# Altium PCB OECU_BASE.PcbDoc (part 2 of 6) (continued)
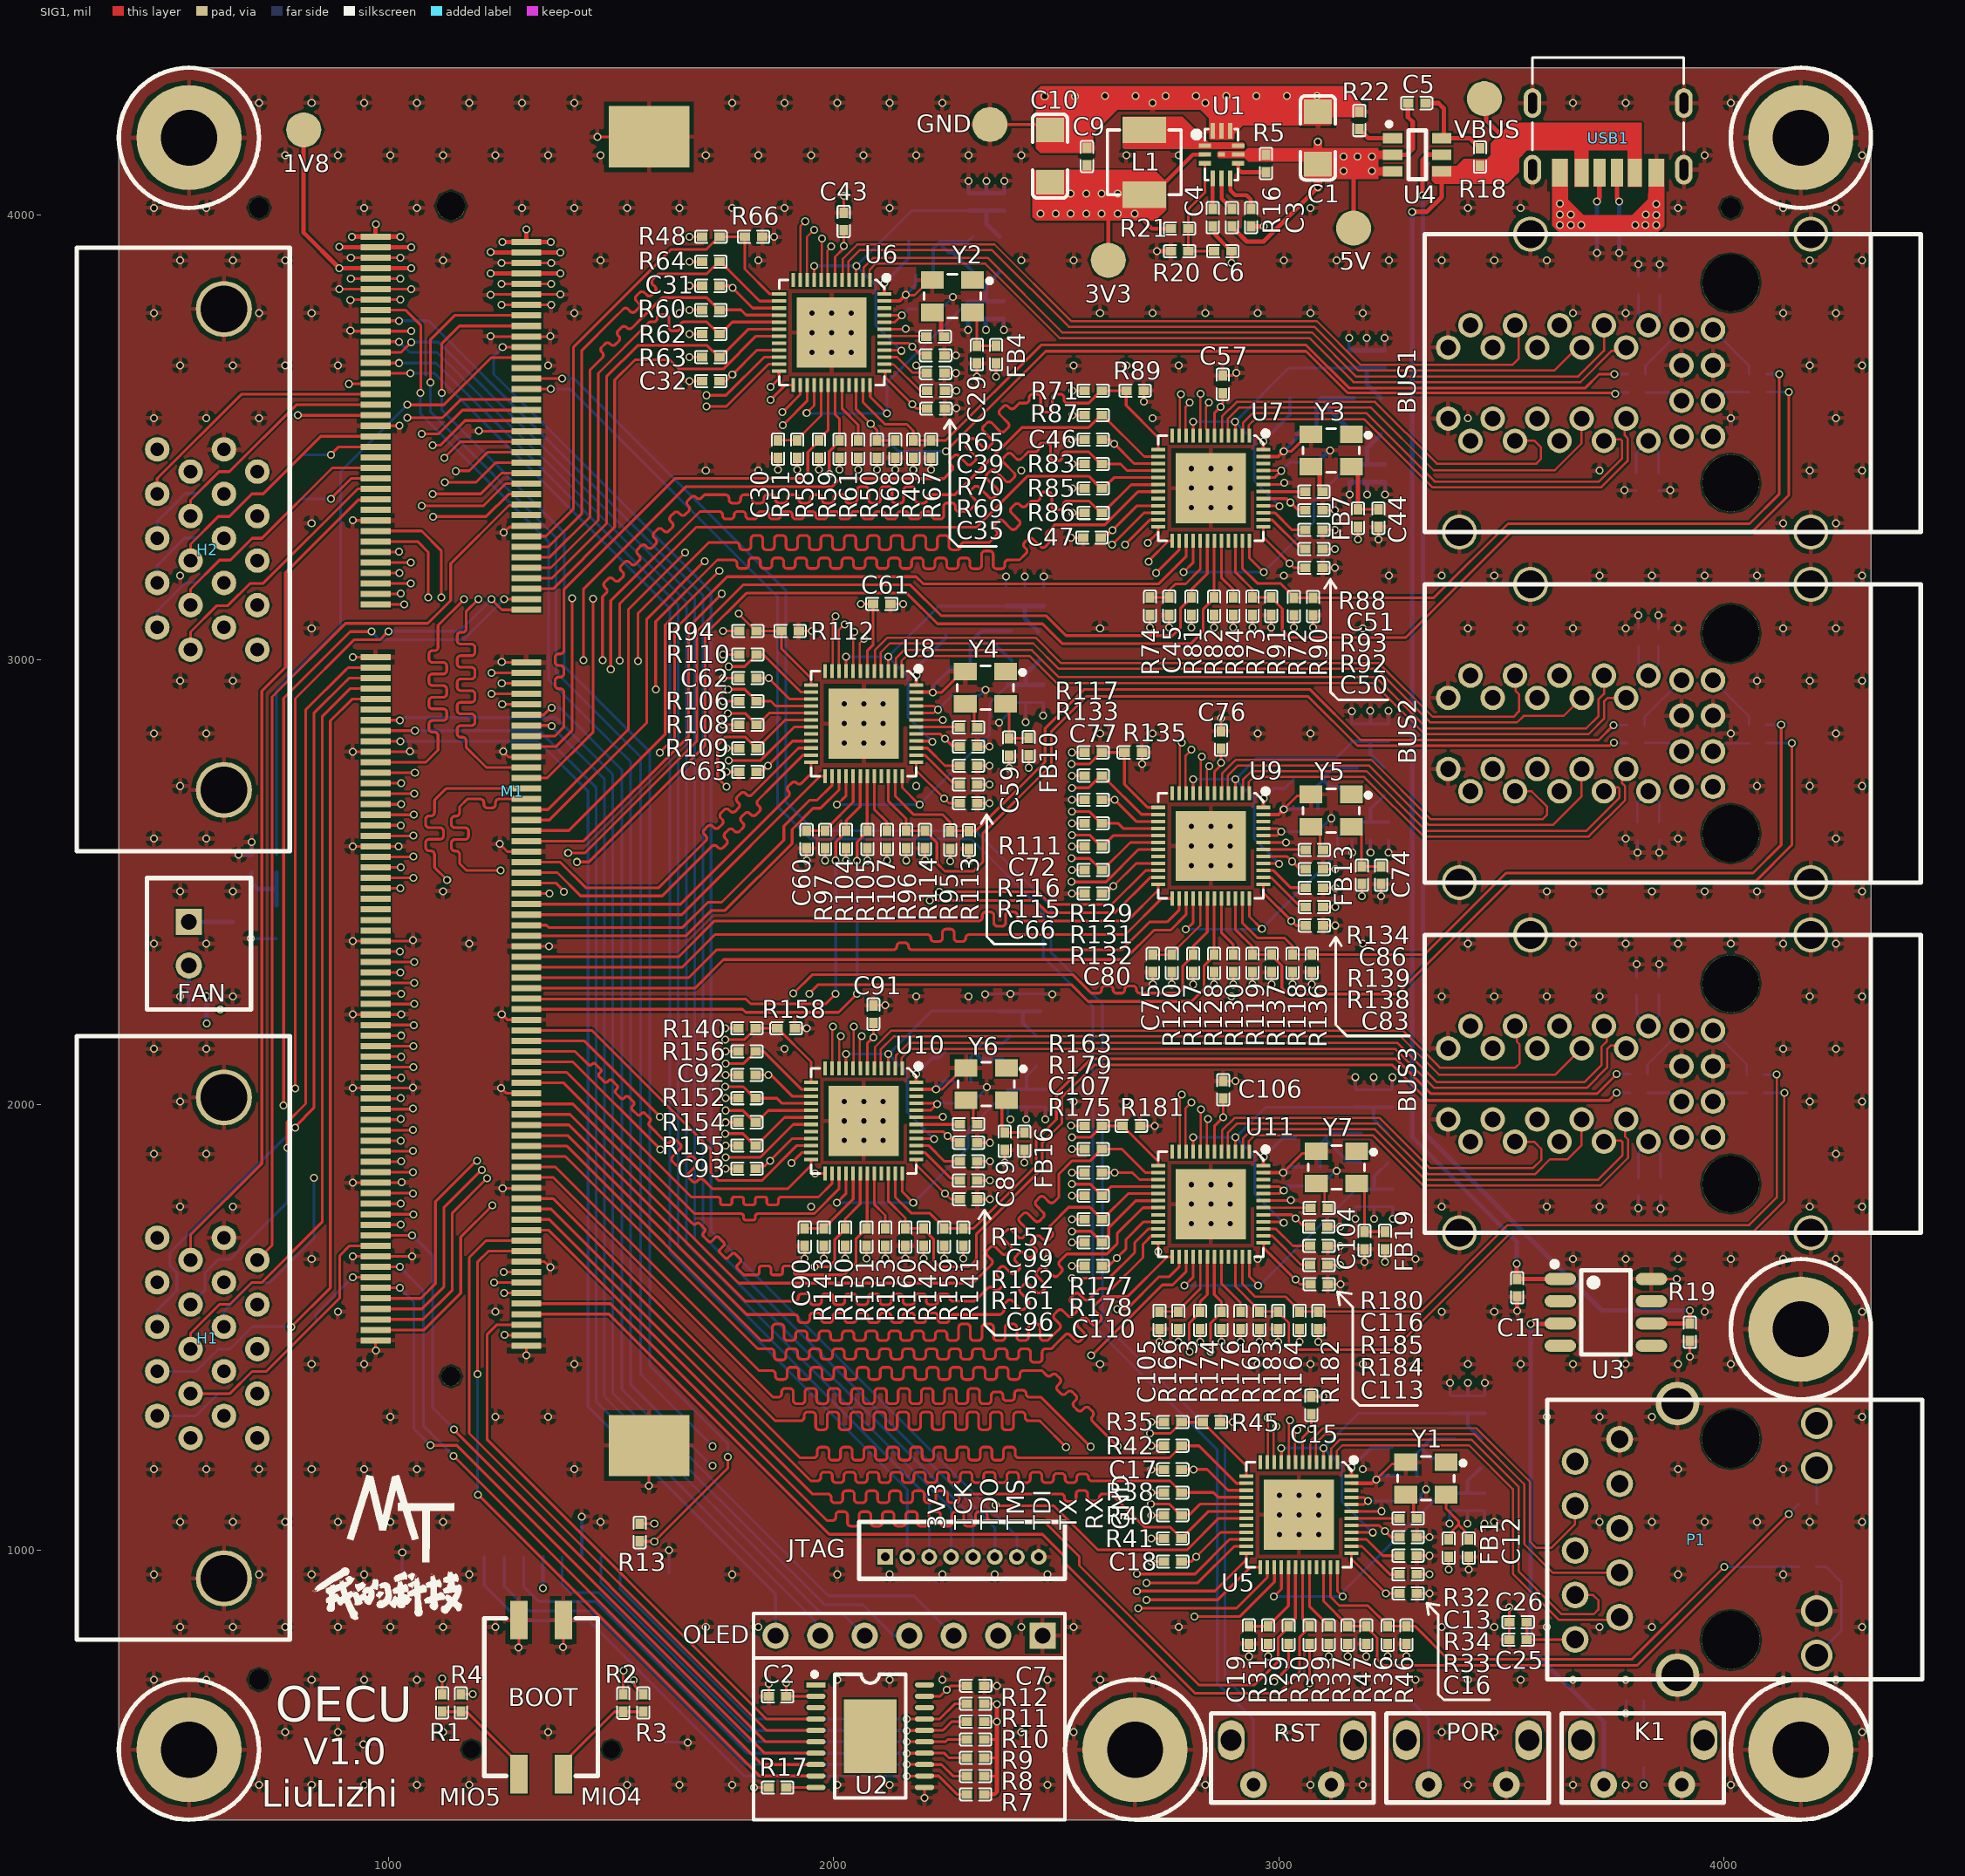
[diagram p0: SIG1 view]
## Nets (pads, with @x,y where several pads share a name; then routed paths per layer and width w, separated by ;. In a path a pad name is that pad's centre, name@x,y a point inside that pad or via, vN(x,y) a via of type N, cw(c..) or ccw(c..) an arc to the next point about the centre after c; other vN are vias at no path point) (continued)
  SIG1 w6.16: v1(1676,3840.5) C31.2@1704.31,3840.5
  SIG1 w8: U6.47@2113.5,3806.26 2147.76,3806.26 v1(2162,3820.5) ; U10.47@2185.5,2034.87 v1@2229.87,2034.87 ; U8.47@2185.5,2927.76 v1@2222.24,2927.76 ; U11.47@2965.5,1847.76 v1@3009.76,1847.76 ; U9.47@2965.5,2652.76 2999.76,2652.76 v1(3011,2664) ; U7.47@2965.5,3456.76 2998.76,3456.76 v1(3011,3469) ; U5.47@3163.5,1149.76 3209.63,1149.76 v1@3217.87,1158
  SIG1 w10: v1(2726,3918) R20.2@2757.63,3918 ; U1.12@2851.91,4188.65 U1.11@2871.6,4188.65 U1.10@2891.28,4188.65 ; C3.2@2937.6,3973.81 2965.81,3973.81 v1(2966,3974) ; C1.1@3088,4232.06 3180.63,4232.06 R22.2@3181,4231.69 ; v1(3536,1537) C11.2@3536,1569.31
  SIG3 w6: v1(663,2562) v1@663.31,2561.69 ; v1(690,2374) 690.4,2373.6 D2.2@748.21,2373.6 ; v1@692,2590.37 v1(692.32,2590.69) ; v1(942.83,563.43) 943.55,562.72 J1.10@994.92,562.72 ; J1.10@1029.92,942.72 1029.92,994.08 v1(1030.63,994.8) ; v1(1433.5,1075) v1@1433.56,1074.94 ; J1.10@1619.92,567.72 1671.28,567.72 v1(1672,567) ; J1.10@1629.92,947.72 1629.92,998.92 v1(1630,999) ; C36.2@2224.69,3788.5 2225.67,3789.48 2241.98,3789.48 v1(2268,3815.5) ; C73.1@2265.35,2983 C73.1@2267.32,2983 ; C69.2@2306.69,2920 2328,2920 v1(2341,2933) ; C102.2@2307.69,2004 2309.65,2004 2344,2038.35 v1(2344,2040) ; v1(2340,2249) 2340.37,2249.37 2396.37,2249.37 v1(2397,2250) ; v1(2372,2859) 2391,2878 C70.1@2391,2904.44 C67.1@2431,2904.44 ; C65.1@2387,3164.69 v1(2387,3187) ; C100.1@2391,1995.32 2391,1975.93 2397,1969.93 v1(2397,1967) ; C100.1@2393,1995.32 C97.1@2433,1995.32 ; v1@2397.63,2249.37 C98.1@2425,2249.37 C95.1@2465,2249.37 2490.63,2249.37 v1(2491,2249) ; C68.1@2429,3164.69 v1(2429,3187) ; v1(2431,2859.81) C67.1@2431,2904.44 ; v1(2432.38,1967.57) 2433,1968.19 C97.1@2433,1995.32 ; v1(2471,2874.81) C64.1@2471,2904.44 C67.1@2431,2904.44 ; C71.1@2471,3163.69 2472,3164.69 v1(2472,3187) ; v1(2475.38,1967.57) 2476,1968.19 C94.1@2476,1995.32 C97.1@2433,1995.32 ; v1(3011,2664) v1@3013,2666 ; C58.1@3040.67,3509.36 C58.1@3045.32,3514 ; C88.2@3087.69,2615 3089.65,2615 3096.5,2621.84 3096.5,2622.5 v1(3118,2644) ; C118.2@3092.69,1818 3094.65,1818 3128.65,1852 v1(3130,1852) ; C49.1@3158,3695.37 v1(3158,3723) ; v1(3164,2885) 3164.35,2884.65 C79.1@3164.35,2856.04 3164.68,2856.37 C82.1@3206,2856.37 ; C84.1@3164.78,2595.94 3164.78,2567.22 v1(3165,2567) ; v1(3172,1743.69) C114.1@3172,1771.32 C111.1@3214,1771.32 ; v1(3172,2062) C109.1@3172,2034.37 C112.1@3213,2034.37 ; C53.1@3198,3695.37 v1(3198,3723) ; v1(3205.65,2885.33) 3206,2884.99 C82.1@3206,2856.37 ; v1(3206,2567) C81.1@3206,2595.63 ; C82.1@3206.33,2856.7 C82.1@3206,2856.37 ; v1(3213,2062) C112.1@3213,2034.37 ; v1(3214,1743.69) C111.1@3214,1771.32 ; v1(3219,1158) v1@3219.37,1158 ; C56.1@3238,3695.37 v1(3238,3723) ; v1(3246.65,2885.33) 3247,2884.99 C85.1@3247,2856.37 ; v1(3247,2567) C78.1@3247,2596.63 ; C85.1@3247.33,2856.7 C85.1@3247,2856.37 ; v1(3255,2062) C115.1@3255,2034.37 C112.1@3213,2034.37 ; v1(3256,1743.69) C108.1@3256,1771.32 C111.1@3214,1771.32 ; C14.2@3310.69,1110 3312.65,1110 3319.5,1116.84 3319.5,1124.5 v1(3331,1136) ; v1(3384,1059) C27.1@3384,1088.63 C23.1@3424,1088.63 ; v1(3385,1376) C22.1@3385,1346.37 3385.13,1346.24 C28.1@3462.87,1346.24 v1(3462.87,1375.87) ; v1(3424,1059) C23.1@3424,1088.63 ; C24.1@3425,1346.37 v1(3425,1376) ; v1(3461.87,1058.87) C21.1@3461.87,1088.5 3461.74,1088.63 C23.1@3424,1088.63 ; v1(3777,3381) 3777.46,3380.54 C122.1@3803.32,3380.54 ; v1(3780,633) 3780.31,633.31 R6.2@3780.31,662 ; v1(3804,2316) 3804.31,2315.69 C127.1@3804.31,2286.91 ; v1(3806,2567) C125.1@3806,2595.63 ; v1(3808,1768) C129.1@3808,1795.63 ; C123.1@3808,3070.68 v1(3808,3100) ; v1(3808,3889) 3808.31,3888.69 C120.1@3808.31,3861.39 ; C124.1@3853,3070.68 v1(3853,3100) ; C121.1@3853.32,3380.54 3879.54,3380.54 v1(3880,3381) ; C128.1@3854.31,2286.91 3854.31,2315.31 v1(3855,2316) ; v1(3855,2567) C126.1@3855,2595.63 ; v1(3856,3889) 3856.31,3888.69 C119.1@3856.31,3860.39 ; v1(3858,1767) C130.1@3858,1796.63 ; C82.1@3206,2856.37 C85.1@3247,2856.37
  SIG3 w8: J1.6@1433.56,984.25 v1@1433.56,1074.94 ; v1(2162,3820.5) 2184.35,3842.85 C42.1@2184.35,3864.5 ; v1(2223,2927) 2223,2940.65 C73.1@2265.35,2983 ; v1(2230,2035) 2249,2054 C103.1@2268.32,2054 ; v1(3010,1848) 3023,1861 C117.1@3053.32,1861 ; v1(3011,3469) 3040.67,3498.67 C58.1@3040.67,3509.36 ; v1@3013,2666 C87.1@3048.32,2666 ; v1@3219.37,1158 3228.37,1167 C20.1@3271.32,1167
  SIG3 w10: v1@663.31,2561.69 R192.2@692,2561.69 v1@692,2590.37 ; v1(2302,3741.5) 2301.64,3741.86 2301.64,3766.27 C33.1@2301.28,3766.63 C37.1@2341.28,3766.63 ; v1(2303,4076.5) 2303.28,4076.22 C34.1@2303.28,4048.6 C38.1@2343.28,4048.6 ; v1(2342,3741.5) 2341.64,3741.86 2341.64,3766.27 C37.1@2341.28,3766.63 ; v1(2343,4076.5) 2343.28,4076.22 C38.1@2343.28,4048.6 ; v1(2382,3741.5) 2381.64,3741.86 2381.64,3766.27 C40.1@2381.28,3766.63 C37.1@2341.28,3766.63 ; v1(2383,4076.5) 2383.28,4076.22 C41.1@2383.28,4048.6 C38.1@2343.28,4048.6 ; C54.2@3086.65,3444 3113.65,3471 v1(3115,3471) ; C49.1@3158,3695.37 C53.1@3198,3695.37 C56.1@3238,3695.37 ; v1(3159,3372) 3159.29,3372.29 C55.1@3159.29,3399.46 C52.1@3199,3399.46 ; v1(3199,3372) C52.1@3199,3399.46 ; C52.1@3199,3399.63 C52.1@3199,3399.46 ; v1(3239,3372) C48.1@3239,3399.63 3238.83,3399.46 C52.1@3199,3399.46 ; v1(3715,3914) R15.1@3715,3952.32 ; v1(3765,3914) R14.1@3765,3952.32
  other v1: 708.66,472.44 826.77,472.44 944.88,472.44 1062.99,472.44 1181.1,472.44 1535.43,472.44 1653.54,472.44 1771.65,472.44 2007.87,472.44 2125.98,472.44 2480.31,472.44 2834.64,472.44 3070.87,472.44 3188.98,472.44 3425.2,472.44 3661.42,472.44 3779.53,472.44 4015.75,472.44 767.72,590.55 885.83,590.55 1122.05,590.55 1358.27,590.55 2421.26,590.55 2539.37,590.55 3011.81,590.55 3366.14,590.55 3484.25,590.55 4311.02,590.55 472.44,708.66 590.55,708.66 826.77,708.66 944.88,708.66 1062.99,708.66 2007.87,708.66 2125.98,708.66 2244.09,708.66 2480.31,708.66 2598.42,708.66 2716.53,708.66 3188.98,708.66 3307.09,708.66 3425.2,708.66 3543.31,708.66 3661.42,708.66 3779.53,708.66 4133.86,708.66 4251.97,708.66 531.5,826.77 649.61,826.77 767.72,826.77 885.83,826.77 1003.94,826.77 1122.05,826.77 1240.16,826.77 1712.6,826.77 1830.71,826.77 2421.26,826.77 2539.37,826.77 2775.59,826.77 3366.14,826.77 3484.25,826.77 3602.36,826.77 3720.47,826.77 3838.58,826.77 4311.02,826.77 472.44,944.88 708.66,944.88 826.77,944.88 944.88,944.88 1181.1,944.88 1771.65,944.88 2007.87,944.88 2125.98,944.88 2244.09,944.88 2362.2,944.88 2480.31,944.88 3897.64,944.88 4133.86,944.88 531.5,1062.99 649.61,1062.99 767.72,1062.99 885.83,1062.99 1003.94,1062.99 1122.05,1062.99 1476.38,1062.99 3484.25,1062.99 3720.47,1062.99 3838.58,1062.99 3956.69,1062.99 4074.8,1062.99 4192.91,1062.99 4311.02,1062.99 472.44,1181.1 590.55,1181.1 708.66,1181.1 826.77,1181.1 944.88,1181.1 1062.99,1181.1 1417.32,1181.1 3188.98,1181.1 3897.64,1181.1 4133.86,1181.1 1003.94,1299.21 1240.16,1299.21 1358.27,1299.21 3602.36,1299.21 3720.47,1299.21 3838.58,1299.21 4311.02,1299.21 826.77,1417.32 944.88,1417.32 1417.32,1417.32 2598.42,1417.32 2952.76,1417.32 3070.87,1417.32 3188.98,1417.32 3307.09,1417.32 3425.2,1417.32 3543.31,1417.32 3661.42,1417.32 3779.53,1417.32 3897.64,1417.32 4015.75,1417.32 885.83,1535.43 1240.16,1535.43 3366.14,1535.43 3484.25,1535.43 3956.69,1535.43 4311.02,1535.43 826.77,1653.54 2480.31,1653.54 2952.76,1653.54 3307.09,1653.54 3661.42,1653.54 3779.53,1653.54 3897.64,1653.54 4015.75,1653.54 4133.86,1653.54 4251.97,1653.54 531.5,1771.65 649.61,1771.65 1948.82,1771.65 3366.14,1771.65 3602.36,1771.65 3720.47,1771.65 4192.91,1771.65 4311.02,1771.65 472.44,1889.76 590.55,1889.76 4251.97,1889.76 531.5,2007.87 2539.37,2007.87 2657.48,2007.87 4192.91,2007.87 4311.02,2007.87 472.44,2125.98 590.55,2125.98 1889.76,2125.98 4133.86,2125.98 4251.97,2125.98 531.5,2244.09 649.61,2244.09 2185.04,2244.09 2303.15,2244.09 2893.7,2244.09 3366.14,2244.09 3484.25,2244.09 3602.36,2244.09 3720.47,2244.09 4192.91,2244.09 4311.02,2244.09 472.44,2362.2 590.55,2362.2 1181.1,2362.2 3188.98,2362.2 3425.2,2362.2 3661.42,2362.2 3779.53,2362.2 3897.64,2362.2 4015.75,2362.2 4133.86,2362.2 4251.97,2362.2 531.5,2480.31 649.61,2480.31 1122.05,2480.31 3602.36,2480.31 3720.47,2480.31 3838.58,2480.31 3956.69,2480.31 4074.8,2480.31 4311.02,2480.31 472.44,2598.42 590.55,2598.42 3779.53,2598.42 3897.64,2598.42 4251.97,2598.42 531.5,2716.53 2185.04,2716.53 4074.8,2716.53 4192.91,2716.53 4311.02,2716.53 472.44,2834.64 590.55,2834.64 2598.42,2834.64 2716.53,2834.64 2952.76,2834.64 3070.87,2834.64 4015.75,2834.64 4251.97,2834.64 2245,2865 531.5,2952.76 649.61,2952.76 4074.8,2952.76 4192.91,2952.76 4311.02,2952.76 826.77,3070.87 2598.42,3070.87 3188.98,3070.87 3425.2,3070.87 3543.31,3070.87 3661.42,3070.87 3779.53,3070.87 3897.64,3070.87 4133.86,3070.87 4251.97,3070.87 531.5,3188.98 3011.81,3188.98 3248.03,3188.98 3366.14,3188.98 3484.25,3188.98 3720.47,3188.98 3838.58,3188.98 3956.69,3188.98 4074.8,3188.98 4311.02,3188.98 826.77,3307.09 4133.86,3307.09 4251.97,3307.09 1712.6,3425.2 1830.71,3425.2 2421.26,3425.2 3720.47,3425.2 4192.91,3425.2 4311.02,3425.2 1202.5,3514.5 472.44,3543.31 590.55,3543.31 708.66,3543.31 2716.53,3543.31 3425.2,3543.31 4015.75,3543.31 4251.97,3543.31 531.5,3661.42 649.61,3661.42 767.72,3661.42 885.83,3661.42 1358.27,3661.42 2185.04,3661.42 2539.37,3661.42 2657.48,3661.42 2775.59,3661.42 4192.91,3661.42 4311.02,3661.42 472.44,3779.53 708.66,3779.53 826.77,3779.53 1417.32,3779.53 1653.54,3779.53 2598.42,3779.53 2716.53,3779.53 2834.64,3779.53 2952.76,3779.53 3070.87,3779.53 3188.98,3779.53 3661.42,3779.53 3779.53,3779.53 4133.86,3779.53 4251.97,3779.53 531.5,3897.64 649.61,3897.64 767.72,3897.64 1122.05,3897.64 1476.38,3897.64 1830.71,3897.64 2421.26,3897.64 2539.37,3897.64 3011.81,3897.64 3129.92,3897.64 3248.03,3897.64 3366.14,3897.64 3484.25,3897.64 3602.36,3897.64 4192.91,3897.64 4311.02,3897.64 3632,3977 3656,3977 3680,3977 3801,3977 3824,3977 3848,3977 3848,4000 3632,4001 3656,4001 3825,4001 472.44,4015.75 590.55,4015.75 944.88,4015.75 1062.99,4015.75 1299.21,4015.75 1417.32,4015.75 1535.43,4015.75 1653.54,4015.75 1771.65,4015.75 1889.76,4015.75 2125.98,4015.75 3070.87,4015.75 3425.2,4015.75 3543.31,4015.75 3897.64,4015.75 4133.86,4015.75 4251.97,4015.75 3848,4024 3631.89,4025.11 767.72,4133.86 885.83,4133.86 1003.94,4133.86 1122.05,4133.86 1240.16,4133.86 1358.27,4133.86 1476.38,4133.86 1712.6,4133.86 1830.71,4133.86 1948.82,4133.86 2066.93,4133.86 2185.04,4133.86 2303.15,4133.86 2421.26,4133.86 2657.48,4133.86 2775.59,4133.86 3956.69,4133.86 4311.02,4133.86 708.66,4251.97 826.77,4251.97 944.88,4251.97 1062.99,4251.97 1181.1,4251.97 1299.21,4251.97 1417.32,4251.97 1771.65,4251.97 1889.76,4251.97 2007.87,4251.97 2125.98,4251.97 2244.09,4251.97 2716.53,4251.97 2834.64,4251.97 3661.42,4251.97 3779.53,4251.97 4015.75,4251.97 2474,4266 2542,4266 2610,4267 2678,4267 2746,4267 2814,4267 2882,4267 2950,4267 3018,4267 3086,4267
  other v2: 3002,1035 3046,1035 3090,1035 3002,1079 3046,1079 3090,1079 3002,1123 3046,1123 3090,1123 2803.39,1732.89 2847.39,1732.89 2891.39,1732.89 2803.39,1776.89 2847.39,1776.89 2891.39,1776.89 2803.39,1820.89 2847.39,1820.89 2891.39,1820.89 2023.39,1920 2067.39,1920 2111.39,1920 2023.39,1964 2067.39,1964 2111.39,1964 2023.39,2008 2067.39,2008 2111.39,2008 2803.39,2537.89 2847.39,2537.89 2891.39,2537.89 2803.39,2581.89 2847.39,2581.89 2891.39,2581.89 2803.39,2625.89 2847.39,2625.89 2891.39,2625.89 2023.39,2812.89 2067.39,2812.89 2111.39,2812.89 2023.39,2856.89 2067.39,2856.89 2111.39,2856.89 2023.39,2900.89 2067.39,2900.89 2111.39,2900.89 2803.39,3341.89 2847.39,3341.89 2891.39,3341.89 2803.39,3385.89 2847.39,3385.89 2891.39,3385.89 2803.39,3429.89 2847.39,3429.89 2891.39,3429.89 1951.39,3691.39 1995.39,3691.39 2039.39,3691.39 1951.39,3735.39 1995.39,3735.39 2039.39,3735.39 1951.39,3779.39 1995.39,3779.39 2039.39,3779.39
IO13_11N: H1.6 M1.78 | length 1990.8
  SIG1 w6.16: v1(1254,2947) 1254.16,2947.16 M1.78@1309.29,2947.16
  SIG2 w5.61: v1(832,1836) 832.01,2880.01 899,2947 v1(1254,2947)
  SIG3 w6.16: H1.6@629.92,1501.38 629.92,1536.92 694,1601 733.97,1601 832,1699.03 v1(832,1836)
IO13_11P: H1.7 M1.76 | length 1947.9
  SIG1 w6.16: v1(1231,2971) 1231.21,2970.79 M1.76@1309.29,2970.79
  SIG2 w5.61: H1.7@704.92,1551.38 704.92,1588.08 661,1632 661,1670 810.07,1819.07 810.07,2884.07 897,2971 v1(1231,2971)
IO13_12N: H2.1 M1.50 | length 749.1
  SIG1 w6.16: v1(1100,3322) 1219,3322 1269.36,3372.36 M1.50@1309.29,3372.36
  SIG2 w5.61: H2.1@704.92,3023.03 745.03,3023.03 1044,3322 v1(1100,3322)
IO13_12P: H1.9 M1.52 | length 2078
  SIG1 w6.16: H1.9@704.92,1651.38 738,1684.46 738,2917 903,3082 1088,3082 1139.5,3133.5 1139.5,3216.37 1270.2,3347.06 1307.61,3347.06 M1.52@1309.29,3348.74
IO13_13N: H1.17 M1.75 | length 1655.2
  SIG1 w6.16: v1(772,1904) 772,1961 813.56,2002.56 813.56,2887.83 903.18,2977.45 903.45,2977.45 908.6,2982.6 M1.75@970.71,2982.6
  SIG3 w6.16: H1.17@554.92,1551.38 587,1583.46 587,1622 618,1653 644,1653 772,1781 v1(772,1904)
IO13_13P: H1.16 M1.77 | length 1709.1
  SIG1 w6.16: v1(790.48,1948.94) 790.48,1951.48 832.04,1993.04 832.04,2880.17 905.7,2953.83 905.83,2953.83 910.97,2958.97 M1.77@970.71,2958.97
  SIG3 w6.16: H1.16@479.92,1501.38 479.92,1538.92 524,1583 524,1623 508.57,1638.43 508.57,1667.57 569.52,1728.52 569.52,1728.65 763.35,1922.48 763.48,1922.48 789.94,1948.94 v1(790.48,1948.94)
IO13_14N: H1.15 M1.79 | length 1716.7
  SIG1 w6.16: H1.15@554.92,1451.38 554.92,1486.92 620,1552 643,1552 692,1601 715,1601 850.52,1736.52 850.52,2872.52 913.35,2935.35 M1.79@970.71,2935.35
IO13_14P: H1.14 M1.81 | length 1863.5
  SIG1 w6.16: v1(781,1501) 869,1589 869,2863 917.73,2911.73 M1.81@970.71,2911.73
  SIG3 w6.16: H1.14@479.92,1401.38 567.38,1401.38 617,1451 643,1451 694,1502 780,1502 v1(781,1501)
IO13_15N: H1.5 M1.80 | length 1961.7
  SIG1 w6.16: v1(1231,2924) 1231.46,2923.54 M1.80@1309.29,2923.54
  SIG2 w5.61: H1.5@704.92,1451.38 858,1604.46 858,2880 902,2924 v1(1231,2924)
IO13_15P: H1.4 M1.82 | length 2071
  SIG1 w6.16: v1(1255,2900) 1255.08,2899.92 M1.82@1309.29,2899.92
  SIG2 w5.61: H1.4@629.92,1401.38 723.38,1401.38 877,1555 877,2871 906,2900 v1(1255,2900)
IO13_16N: M1.84 OLED.3 | length 2645.6
  SIG1 w6.16: M1.84@1309.29,2876.3 1348.39,2876.3 1352,2879.91 1352,2880 1364,2892 v1(1366,2892)
  SIG3 w6.16: v1(1366,2892) 1385,2892 1524,2753 1524,1361 1988,897 2179.86,897 OLED.3@2269.47,807.39
IO13_16P: M1.86 OLED.5 | length 2420.4
  SIG1 w6.16: M1.86@1309.29,2852.67 1364.33,2852.67 v1(1366,2851)
  SIG3 w6.16: v1(1366,2851) 1484.89,2732.11 1484.89,1344.11 1972,857 2019.86,857 OLED.5@2069.47,807.39
IO13_17N: H2.13 M1.45 | length 564.5
  SIG1 w6.16: H2.13@554.92,3123.03 554.92,3158.92 620,3224 644,3224 693,3273 715,3273 873.42,3431.42 M1.45@970.71,3431.42
IO13_17P: H2.12 M1.47 | length 651.1
  SIG1 w6.16: v1(870,3362) 915.79,3407.79 M1.47@970.71,3407.79
  SIG3 w6.16: H2.12@479.92,3073.03 479.92,3109.92 544,3174 569,3174 619,3224 645,3224 695,3274 716,3274 804,3362 v1(870,3362)
IO13_18N: M1.83
IO13_18P: M1.85 OLED.4 | length 2870.5
  SIG1 w6.16: M1.85@970.71,2864.49 1024.51,2864.49 v1(1025,2864)
  SIG3 w6.16: v1(1025,2864) 1027.91,2864 1034.39,2870.48 1375.52,2870.48 1503.37,2742.63 1503.37,1352.63 1979,877 2065,877 2134.31,807.69 2169.17,807.69 OLED.4@2169.47,807.39
IO13_19N: H2.3 M1.46 | length 727.2
  SIG1 w6.16: v1(1099,3373) 1207,3373 1253.61,3419.61 M1.46@1309.29,3419.61
  SIG2 w5.61: H2.3@704.92,3123.03 954.89,3373 v1(1099,3373)
IO13_19P: H2.2 M1.48 | length 813.2
  SIG1 w6.16: v1(1074,3346) 1213,3346 1262.98,3395.98 M1.48@1309.29,3395.98
  SIG2 w5.61: H2.2@629.95,3073 731,3073 1004,3346 v1(1074,3346)
IO13_20N: M1.89 OLED.7 | length 2595.9
  SIG1 w6.16: M1.89@970.71,2817.24 1025.76,2817.24 v1(1026,2817)
  SIG3 w6.16: v1(1026,2817) 1335.87,2817 1447.93,2704.94 1447.93,1322.07 1869.47,900.53 OLED.7@1869.47,807.39
IO13_20P: M1.87 OLED.6 | length 2662.5
  SIG1 w6.16: M1.87@970.71,2840.86 1058.86,2840.86 v1(1059,2841)
  SIG3 w6.16: v1(1059,2841) 1338,2841 1466.41,2712.59 1466.41,1332.59 1959.35,839.65 1959.35,817.51 OLED.6@1969.47,807.39
IO13_21N: H2.11 M1.49 | length 588.7
  SIG1 w6.16: H2.11@554.92,3023.03 554.92,3062.92 614,3122 639,3122 689,3172 718,3172 930.17,3384.17 M1.49@970.71,3384.17
IO13_21P: H1.19 M1.51 | length 1903.7
  SIG1 w6.16: H1.19@554.92,1651.38 554.92,1707.92 715,1868 715,2930 768,2983 768,3195.87 931.61,3359.48 969.64,3359.48 M1.51@970.71,3360.55
IO13_22N: H1.8 M1.72 | length 2039
  SIG1 w6.16: v1(790,2037) 790,2913 922.04,3045.04 953.83,3045.04 ; 953.85,3045.02 980.02,3045.02 998.52,3063.52 v1(999.5,3063.52) ; v1(1231,3136) 1254.48,3112.52 M1.72@1309.29,3112.52
  SIG2 w5.61: H1.8@629.92,1601.38 629.92,1642.08 582,1690 582,1781 790,1989 v1(790,2037)
  SIG3 w6.16: v1(999.5,3063.52) 1000.48,3064.5 1159.5,3064.5 v1(1231,3136)
IO13_22P: H1.18 M1.70 | length 2082.9
  SIG1 w6.16: v1(764,1999) 764,2914 913.52,3063.52 v1(961.5,3063.5) ; v1(1259,3136) 1259.14,3136.14 M1.70@1309.29,3136.14
  SIG2 w5.61: H1.18@479.92,1601.38 479.92,1638.92 552,1711 552,1787 v1(764,1999)
  SIG3 w6.16: v1(961.5,3063.5) 980,3045 1168,3045 v1(1259,3136)
IO34_1N: M1.88 R58.1 U6.30 | length 1326.7
  SIG1 w6.16: M1.88@1309.29,2829.05 1374.05,2829.05 1393.5,2848.5 1393.5,2871.85 1393.5,2927.25 ccw(c1385.65,2927.25) 1385.65,2935.1 1381.85,2935.1 cw(c1381.85,2942.95) 1374,2942.95 1374,2953.41 cw(c1381.85,2953.41) 1381.85,2961.26 1385.65,2961.26 ccw(c1385.65,2969.11) 1393.5,2969.11 1393.5,2979.57 ccw(c1385.65,2979.57) 1385.65,2987.42 1381.85,2987.42 cw(c1381.85,2995.27) 1374,2995.27 1374,3005.73 cw(c1381.85,3005.73) 1381.85,3013.58 1385.65,3013.58 ccw(c1385.65,3021.43) 1393.5,3021.43 1393.5,3044.44 1393.5,3157.83 1643.67,3408 1931.5,3408 1942,3418.5 1942,3466.72 1966.5,3491.22 R58.1@1966.5,3493.18 1966.5,3495.15 1987.51,3516.17 U6.30@1987.51,3617.28
IO34_1P: M1.90 R59.1 U6.31 | length 1343.8
  SIG1 w6.16: M1.90@1309.29,2805.43 1376.57,2805.43 1411.98,2840.85 v1(1411.98,3138) ; v1(1990,3417.66) 1990,3468.22 2013,3491.22 R59.1@2013,3493.18 2013,3541.5 2003.26,3551.24 U6.31@2003.26,3617.28
  SIG2 w5.61: v1(1411.98,3138) 1411.98,3175.98 1644,3408 1980.34,3408 v1(1990,3417.66)
IO34_2N: M1.63 U6.23 | length 1177.8
  SIG1 w6.16: M1.63@970.71,3218.82 1049.82,3218.82 v1(1050,3219) ; v1(1714.5,3569.5) 1759,3569.5 1854.02,3664.52 U6.23@1877.28,3664.52
  SIG2 w5.61: v1(1050,3219) 1091.46,3219 1254.2,3381.74 1256.18,3383.72 ccw(c1250.75,3389.15) 1256.18,3394.59 1253.49,3397.27 cw(c1258.93,3402.71) 1253.49,3408.14 1260.74,3415.38 cw(c1266.17,3409.95) 1271.6,3415.38 1287.13,3399.85 ccw(c1292.56,3405.29) 1298,3399.85 1305.24,3407.1 ccw(c1299.81,3412.53) 1305.24,3417.96 1289.71,3433.49 cw(c1295.15,3438.92) 1289.71,3444.36 1296.96,3451.6 cw(c1302.39,3446.17) 1307.82,3451.6 1310.51,3448.91 ccw(c1315.94,3454.35) 1321.37,3448.91 1345.79,3473.33 1441.96,3569.5 v1(1714.5,3569.5)
IO34_2P: M1.61 U6.22 | length 1179.9
  SIG1 w6.16: M1.61@970.71,3242.44 1022.94,3242.44 v1(1023.5,3243) ; v1(1714.5,3594.5) 1757.87,3594.5 1843.64,3680.27 U6.22@1877.28,3680.27
  SIG2 w5.61: v1(1023.5,3243) 1063,3243 1300.79,3480.79 1302.78,3482.78 ; 1302.78,3482.77 ccw(c1297.34,3488.21) 1302.78,3493.64 1299.5,3496.92 cw(c1304.93,3502.35) 1299.5,3507.78 1306.74,3515.03 cw(c1312.17,3509.59) 1317.61,3515.03 1334.43,3498.2 ccw(c1339.87,3503.63) 1345.3,3498.2 1352.54,3505.44 ccw(c1347.11,3510.87) 1352.54,3516.31 1335.72,3533.14 cw(c1341.15,3538.57) 1335.72,3544 1342.96,3551.24 cw(c1348.39,3545.81) 1353.83,3551.24 1357.1,3547.97 ccw(c1362.53,3553.4) 1367.97,3547.97 1376.68,3556.68 1414.5,3594.5 v1(1714.5,3594.5)
IO34_4N: M1.96 U7.22 | length 2281.3
  SIG1 w6.16: M1.96@1309.29,2734.56 1356.06,2734.56 1459.5,2838 v1(1459.5,3137.5) ; v1(2625.5,3258.5) 2697.77,3330.77 U7.22@2729.28,3330.77
  SIG2 w5.61: v1(1459.5,3137.5) 1690.5,3368.5 2068.57,3368.5 2071.37,3368.5 ccw(c2071.37,3376.18) 2079.05,3376.18 2079.05,3380.82 cw(c2086.74,3380.82) 2086.74,3388.5 2096.98,3388.5 cw(c2096.98,3380.82) 2104.66,3380.82 2104.66,3358.84 ccw(c2112.35,3358.84) 2112.35,3351.15 2122.59,3351.15 ccw(c2122.59,3358.84) 2130.27,3358.84 2130.27,3380.82 cw(c2137.96,3380.82) 2137.96,3388.5 2148.2,3388.5 cw(c2148.2,3380.82) 2155.88,3380.82 2155.88,3358.84 ccw(c2163.57,3358.84) 2163.57,3351.15 2173.81,3351.15 ccw(c2173.81,3358.84) 2181.49,3358.84 2181.49,3380.82 cw(c2189.18,3380.82) 2189.18,3388.5 2199.42,3388.5 cw(c2199.42,3380.82) 2207.1,3380.82 2207.1,3358.84 ccw(c2214.79,3358.84) 2214.79,3351.15 2225.03,3351.15 ccw(c2225.03,3358.84) 2232.71,3358.84 2232.71,3380.82 cw(c2240.4,3380.82) 2240.4,3388.5 2250.64,3388.5 cw(c2250.64,3380.82) 2258.32,3380.82 2258.32,3358.84 ccw(c2266.01,3358.84) 2266.01,3351.15 2276.25,3351.15 ccw(c2276.25,3358.84) 2283.93,3358.84 2283.93,3380.82 cw(c2291.62,3380.82) 2291.62,3388.5 2301.86,3388.5 cw(c2301.86,3380.82) 2309.54,3380.82 2309.54,3358.84 ccw(c2317.23,3358.84) 2317.23,3351.15 2327.47,3351.15 ccw(c2327.47,3358.84) 2335.15,3358.84 2335.15,3380.82 cw(c2342.84,3380.82) 2342.84,3388.5 2353.08,3388.5 cw(c2353.08,3380.82) 2360.76,3380.82 2360.76,3376.18 ccw(c2368.45,3376.18) 2368.45,3368.5 2393.05,3368.5 2405.57,3368.5 2531.85,3242.22 2609.22,3242.22 v1(2625.5,3258.5)
IO34_4P: M1.94 U6.27 | length 1749.2
  SIG1 w6.16: v1(1201.5,3136) 1174,3108.5 1174,3102.6 1174,3069.57 cw(c1166.15,3069.57) 1166.15,3061.72 1161.85,3061.72 ccw(c1161.85,3053.87) 1154,3053.87 1154,3043.41 ccw(c1161.85,3043.41) 1161.85,3035.56 1186.15,3035.56 cw(c1186.15,3027.71) 1194,3027.71 1194,3017.25 cw(c1186.15,3017.25) 1186.15,3009.4 1161.85,3009.4 ccw(c1161.85,3001.55) 1154,3001.55 1154,2991.09 ccw(c1161.85,2991.09) 1161.85,2983.24 1186.15,2983.24 cw(c1186.15,2975.39) 1194,2975.39 1194,2964.93 cw(c1186.15,2964.93) 1186.15,2957.08 1161.85,2957.08 ccw(c1161.85,2949.23) 1154,2949.23 1154,2938.77 ccw(c1161.85,2938.77) 1161.85,2930.92 1186.15,2930.92 cw(c1186.15,2923.07) 1194,2923.07 1194,2912.61 cw(c1186.15,2912.61) 1186.15,2904.76 1161.85,2904.76 ccw(c1161.85,2896.91) 1154,2896.91 1154,2886.45 ccw(c1161.85,2886.45) 1161.85,2878.6 1186.15,2878.6 cw(c1186.15,2870.75) 1194,2870.75 1194,2860.29 cw(c1186.15,2860.29) 1186.15,2852.44 1161.85,2852.44 ccw(c1161.85,2844.59) 1154,2844.59 1154,2834.13 ccw(c1161.85,2834.13) 1161.85,2826.28 1166.15,2826.28 cw(c1166.15,2818.43) 1174,2818.43 1174,2815.35 1174,2804 1219.81,2758.19 M1.94@1309.29,2758.19 ; v1(1885.13,3527) 1890.03,3531.9 1890.38,3531.9 1940.27,3581.79 U6.27@1940.27,3617.28
  SIG2 w5.61: v1(1201.5,3136) 1507.5,3442 1800.13,3442 v1(1885.13,3527)
IO34_5N: M1.58 R48.2 R66.1 U6.13 | length 1154.8
  SIG1 w6.16: M1.58@1309.29,3277.87 1353.37,3277.87 1415.5,3340 1415.5,3703 1635,3922.5 1714.03,3922.5 1742.03,3950.5 R48.2@1744,3950.5 R66.1@1800.32,3950.5 1800.32,3878.18 1856.5,3822 U6.13@1877.28,3822
IO34_5P: M1.60 R64.1 U6.14 | length 1149.8
  SIG1 w6.16: M1.60@1309.29,3254.25 1359.25,3254.25 1433.98,3328.98 1433.98,3695.35 1506.13,3767.49 1526.8,3788.17 cw(c1532.35,3782.62) 1537.9,3788.17 1543.12,3782.95 ccw(c1548.67,3788.5) 1554.22,3782.95 1561.62,3790.35 ccw(c1556.07,3795.9) 1561.62,3801.45 1556.4,3806.67 cw(c1561.95,3812.22) 1556.4,3817.77 1563.8,3825.16 cw(c1569.35,3819.61) 1574.9,3825.16 1580.12,3819.95 ccw(c1585.66,3825.5) 1591.21,3819.95 1598.61,3827.35 ccw(c1593.06,3832.9) 1598.61,3838.45 1593.4,3843.66 cw(c1598.94,3849.21) 1593.4,3854.76 1606.13,3867.5 1633.35,3867.5 1714.72,3867.5 1741.72,3894.5 1745.65,3894.5 1752.42,3887.74 1752.42,3887.58 1833.74,3806.26 U6.14@1877.28,3806.26
IO34_6N: M1.67 U6.25 | length 1122.7
  SIG1 w6.16: M1.67@970.71,3171.57 1049.57,3171.57 v1(1050,3172) ; v1(1858.5,3584.5) 1891.28,3617.28 U6.25@1908.77,3617.28
  SIG2 w5.61: v1(1050,3172) 1122.36,3172 1454.36,3504 1778,3504 v1(1858.5,3584.5)
IO34_6P: M1.65 U6.24 | length 1104.3
  SIG1 w6.16: M1.65@970.71,3195.2 1023.8,3195.2 v1(1024,3195) ; v1(1858.5,3613.5) 1877.28,3632.28 U6.24@1877.28,3648.78
  SIG2 w5.61: v1(1024,3195) 1120,3195 1461.5,3536.5 1781.5,3536.5 v1(1858.5,3613.5)